# KiCad board FrontEnd_5G.kicad_pcb (continued)
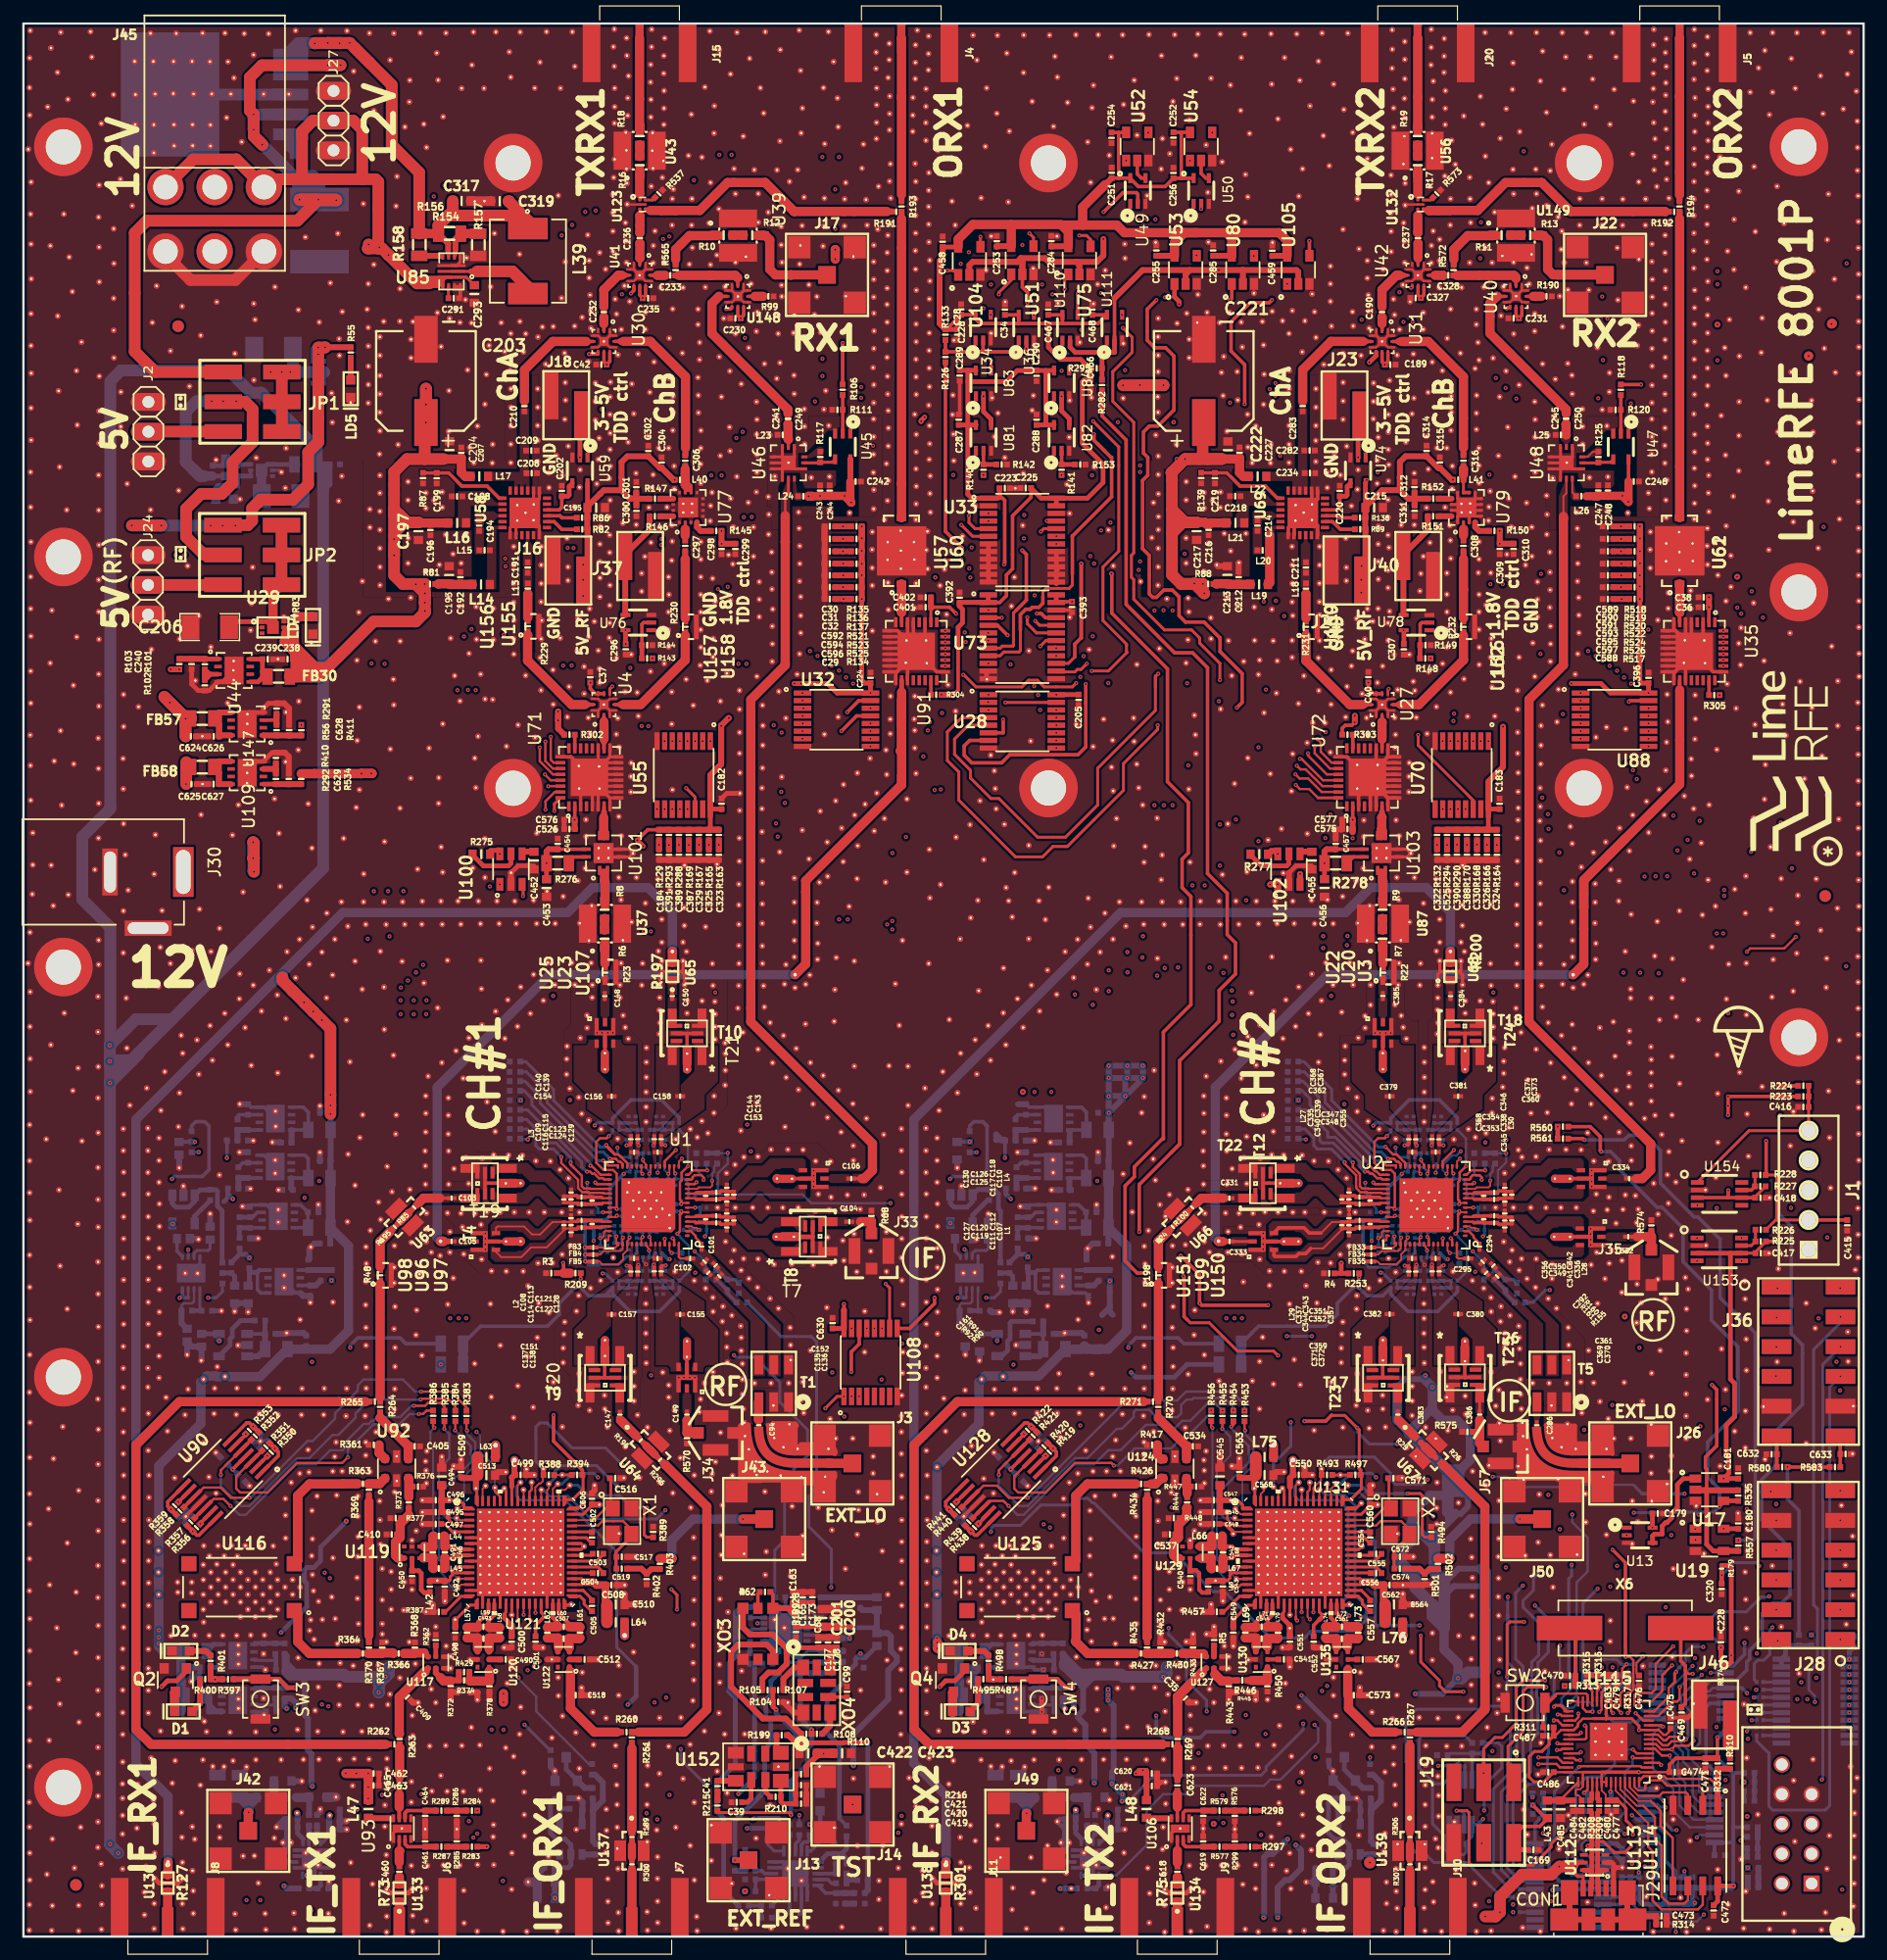
[diagram p0: board, top side]
## Placement (name value [footprint] x y rotation side) (continued)
GND_VIA#229  VAL**  [GND_VIA#3]  41.62 125.78 90 top
GND_VIA#230  VAL**  [GND_VIA#3]  41.62 127.36 90 top
GND_VIA#231  VAL**  [GND_VIA#3]  41.62 128.93 90 top
GND_VIA#232  VAL**  [GND_VIA#3]  41.63 130.51 90 top
GND_VIA#233  VAL**  [GND_VIA#3]  41.63 132.09 90 top
GND_VIA#234  VAL**  [GND_VIA#3]  39.53 133.31 90 top
GND_VIA#235  VAL**  [GND_VIA#3]  36.34 131.93 90 top
GND_VIA#236  VAL**  [GND_VIA#3]  42.17 122.16 90 top
GND_VIA#237  VAL**  [GND_VIA#3]  42.17 120.84 90 top
GND_VIA#238  VAL**  [GND_VIA#3]  42.87 121.51 90 top
GND_VIA#239  VAL**  [GND_VIA#3]  43.56 120.88 90 top
GND_VIA#240  VAL**  [GND_VIA#3]  43.91 125.88 90 top
GND_VIA#241  VAL**  [GND_VIA#3]  44.87 124.92 90 top
GND_VIA#242  VAL**  [GND_VIA#3]  44.88 123.65 90 top
GND_VIA#243  VAL**  [GND_VIA#3]  46 124.71 90 top
GND_VIA#244  VAL**  [GND_VIA#3]  47.54 125.18 90 top
GND_VIA#245  VAL**  [GND_VIA#3]  43.91 127.67 90 top
GND_VIA#246  VAL**  [GND_VIA#3]  43.91 128.95 90 top
GND_VIA#247  VAL**  [GND_VIA#3]  43.91 130.51 90 top
GND_VIA#248  VAL**  [GND_VIA#3]  43.91 132.09 90 top
GND_VIA#249  VAL**  [GND_VIA#3]  41.87 118.62 90 top
GND_VIA#250  VAL**  [GND_VIA#3]  41.88 117.04 90 top
GND_VIA#251  VAL**  [GND_VIA#3]  41.88 115.48 90 top
GND_VIA#252  VAL**  [GND_VIA#3]  44.21 115.47 90 top
GND_VIA#253  VAL**  [GND_VIA#3]  44.21 117.05 90 top
GND_VIA#254  VAL**  [GND_VIA#3]  44.22 118.62 90 top
GND_VIA#255  VAL**  [GND_VIA#3]  47.01 122.02 90 top
GND_VIA#256  VAL**  [GND_VIA#3]  122.8 122.28 90 top
GND_VIA#257  VAL**  [GND_VIA#3]  122.82 121.53 90 top
GND_VIA#258  VAL**  [GND_VIA#3]  118.77 124.89 90 top
GND_VIA#259  VAL**  [GND_VIA#3]  120.11 123.65 90 top
GND_VIA#260  VAL**  [GND_VIA#3]  119.96 125.23 90 top
GND_VIA#261  VAL**  [GND_VIA#3]  119.81 121.95 90 top
GND_VIA#262  VAL**  [GND_VIA#3]  121.39 121.98 90 top
GND_VIA#263  VAL**  [GND_VIA#3]  118.77 120.48 90 top
GND_VIA#264  VAL**  [GND_VIA#3]  104.08 135.65 90 top
GND_VIA#265  VAL**  [GND_VIA#3]  99.55 134.74 90 top
GND_VIA#266  VAL**  [GND_VIA#3]  99.55 136.31 90 top
GND_VIA#267  VAL**  [GND_VIA#3]  113.4 122.09 90 top
GND_VIA#268  VAL**  [GND_VIA#3]  118.68 107.11 90 top
GND_VIA#269  VAL**  [GND_VIA#3]  116.52 110.62 90 top
GND_VIA#270  VAL**  [GND_VIA#3]  116.52 112.11 90 top
GND_VIA#271  VAL**  [GND_VIA#3]  116.66 113.1 90 top
GND_VIA#272  VAL**  [GND_VIA#3]  116.52 115.11 90 top
GND_VIA#273  VAL**  [GND_VIA#3]  116.54 116.61 90 top
GND_VIA#274  VAL**  [GND_VIA#3]  116.6 118.54 90 top
GND_VIA#275  VAL**  [GND_VIA#3]  116.52 119.61 90 top
GND_VIA#276  VAL**  [GND_VIA#3]  116.54 121.12 90 top
GND_VIA#277  VAL**  [GND_VIA#3]  116.52 122.62 90 top
GND_VIA#278  VAL**  [GND_VIA#3]  116.56 124.22 90 top
GND_VIA#279  VAL**  [GND_VIA#3]  117.65 120.46 90 top
GND_VIA#280  VAL**  [GND_VIA#3]  115.7 120.34 90 top
GND_VIA#281  VAL**  [GND_VIA#3]  115.68 118.84 90 top
GND_VIA#282  VAL**  [GND_VIA#3]  115.68 117.34 90 top
GND_VIA#283  VAL**  [GND_VIA#3]  115.7 115.84 90 top
GND_VIA#284  VAL**  [GND_VIA#3]  115.68 113.33 90 top
GND_VIA#285  VAL**  [GND_VIA#3]  115.22 112.24 90 top
GND_VIA#286  VAL**  [GND_VIA#3]  113.4 108.43 90 top
GND_VIA#287  VAL**  [GND_VIA#3]  116.06 108.42 90 top
GND_VIA#288  VAL**  [GND_VIA#3]  116.66 132.8 90 top
GND_VIA#289  VAL**  [GND_VIA#3]  116.55 131.4 90 top
GND_VIA#290  VAL**  [GND_VIA#3]  116.55 129.9 90 top
GND_VIA#291  VAL**  [GND_VIA#3]  116.55 128.4 90 top
GND_VIA#292  VAL**  [GND_VIA#3]  116.55 126.91 90 top
GND_VIA#293  VAL**  [GND_VIA#3]  116.59 125.61 90 top
GND_VIA#294  VAL**  [GND_VIA#3]  115.6 124 270 top
GND_VIA#295  VAL**  [GND_VIA#3]  115.61 125.98 270 top
GND_VIA#296  VAL**  [GND_VIA#3]  115.69 127.95 270 top
GND_VIA#297  VAL**  [GND_VIA#3]  140.17 125.75 90 top
GND_VIA#298  VAL**  [GND_VIA#3]  140.15 127.25 90 top
GND_VIA#299  VAL**  [GND_VIA#3]  140.18 128.75 90 top
GND_VIA#300  VAL**  [GND_VIA#3]  140.17 130.25 90 top
GND_VIA#301  VAL**  [GND_VIA#3]  130.11 121.37 90 top
GND_VIA#302  VAL**  [GND_VIA#3]  121.92 131.45 90 top
GND_VIA#303  VAL**  [GND_VIA#3]  121.17 133.63 90 top
GND_VIA#304  VAL**  [GND_VIA#3]  139.05 129.5 90 top
GND_VIA#305  VAL**  [GND_VIA#3]  139.06 128 90 top
GND_VIA#306  VAL**  [GND_VIA#3]  139.04 126.5 90 top
GND_VIA#307  VAL**  [GND_VIA#3]  139.05 125 90 top
GND_VIA#308  VAL**  [GND_VIA#3]  139.06 132.4 90 top
GND_VIA#309  VAL**  [GND_VIA#3]  139.06 130.9 90 top
GND_VIA#310  VAL**  [GND_VIA#3]  124.2 136.05 90 top
GND_VIA#311  VAL**  [GND_VIA#3]  125.49 134.71 90 top
GND_VIA#312  VAL**  [GND_VIA#3]  126.61 133.61 90 top
GND_VIA#313  VAL**  [GND_VIA#3]  127.71 132.42 90 top
GND_VIA#314  VAL**  [GND_VIA#3]  133.73 124.5 90 top
GND_VIA#315  VAL**  [GND_VIA#3]  135.3 124.58 90 top
GND_VIA#316  VAL**  [GND_VIA#3]  128.37 135.59 90 top
GND_VIA#317  VAL**  [GND_VIA#3]  127.26 136.78 90 top
GND_VIA#318  VAL**  [GND_VIA#3]  129.72 134.21 90 top
GND_VIA#319  VAL**  [GND_VIA#3]  122.7 135.12 90 top
GND_VIA#320  VAL**  [GND_VIA#3]  121.58 136.4 90 top
GND_VIA#321  VAL**  [GND_VIA#3]  120.3 134.37 90 top
GND_VIA#322  VAL**  [GND_VIA#3]  118.69 135.06 90 top
GND_VIA#323  VAL**  [GND_VIA#3]  130.19 128.12 90 top
GND_VIA#324  VAL**  [GND_VIA#3]  135.21 128.92 90 top
GND_VIA#325  VAL**  [GND_VIA#3]  119.94 131.78 90 top
GND_VIA#326  VAL**  [GND_VIA#3]  110.37 136.47 90 top
GND_VIA#327  VAL**  [GND_VIA#3]  111.7 137.44 90 top
GND_VIA#328  VAL**  [GND_VIA#3]  113.55 137.44 90 top
GND_VIA#329  VAL**  [GND_VIA#3]  111.04 134.16 90 top
GND_VIA#330  VAL**  [GND_VIA#3]  112.7 135.11 90 top
GND_VIA#331  VAL**  [GND_VIA#3]  106.49 125.75 90 top
GND_VIA#332  VAL**  [GND_VIA#3]  104.92 125.77 90 top
GND_VIA#333  VAL**  [GND_VIA#3]  104.56 127.11 90 top
GND_VIA#334  VAL**  [GND_VIA#3]  105.23 128.91 90 top
GND_VIA#335  VAL**  [GND_VIA#3]  134.81 130.31 90 top
GND_VIA#336  VAL**  [GND_VIA#3]  129.06 138.5 90 top
GND_VIA#337  VAL**  [GND_VIA#3]  129.05 137 90 top
GND_VIA#338  VAL**  [GND_VIA#3]  129.05 130.99 90 top
GND_VIA#339  VAL**  [GND_VIA#3]  129.08 129.47 90 top
GND_VIA#340  VAL**  [GND_VIA#3]  129.06 127.97 90 top
GND_VIA#341  VAL**  [GND_VIA#3]  129.07 126.47 90 top
GND_VIA#342  VAL**  [GND_VIA#3]  129.08 124.97 90 top
GND_VIA#343  VAL**  [GND_VIA#3]  140.18 131.65 90 top
GND_VIA#344  VAL**  [GND_VIA#3]  140.19 133.15 90 top
GND_VIA#345  VAL**  [GND_VIA#3]  133.14 127.36 90 top
GND_VIA#346  VAL**  [GND_VIA#3]  133.13 128.87 90 top
GND_VIA#347  VAL**  [GND_VIA#3]  133.12 130.36 90 top
GND_VIA#348  VAL**  [GND_VIA#3]  130.81 132.91 90 top
GND_VIA#349  VAL**  [GND_VIA#3]  132.25 131.65 90 top
GND_VIA#350  VAL**  [GND_VIA#3]  115.62 107.01 90 top
GND_VIA#351  VAL**  [GND_VIA#3]  125.4 106.64 90 top
GND_VIA#352  VAL**  [GND_VIA#3]  119.52 137.16 90 top
GND_VIA#353  VAL**  [GND_VIA#3]  117.52 137.15 90 top
GND_VIA#354  VAL**  [GND_VIA#3]  117.3 134.97 90 top
GND_VIA#355  VAL**  [GND_VIA#3]  121.98 123.56 90 top
GND_VIA#356  VAL**  [GND_VIA#3]  125.11 120.84 90 top
GND_VIA#357  VAL**  [GND_VIA#3]  125.14 122.01 90 top
GND_VIA#358  VAL**  [GND_VIA#3]  125.24 123.36 90 top
GND_VIA#359  VAL**  [GND_VIA#3]  120.1 118.96 90 top
GND_VIA#360  VAL**  [GND_VIA#3]  117.86 121.92 90 top
GND_VIA#361  VAL**  [GND_VIA#3]  117.79 140.96 90 top
GND_VIA#362  VAL**  [GND_VIA#3]  116.99 139.74 90 top
GND_VIA#363  VAL**  [GND_VIA#3]  114.9 137.25 90 top
GND_VIA#364  VAL**  [GND_VIA#3]  114.89 138.73 90 top
GND_VIA#365  VAL**  [GND_VIA#3]  114.83 140.1 90 top
GND_VIA#366  VAL**  [GND_VIA#3]  103.8 117.25 90 top
GND_VIA#367  VAL**  [GND_VIA#3]  101.2 118.92 90 top
GND_VIA#368  VAL**  [GND_VIA#3]  101.9 117.06 90 top
GND_VIA#369  VAL**  [GND_VIA#3]  104.39 119.74 90 top
GND_VIA#370  VAL**  [GND_VIA#3]  102.54 119.74 90 top
GND_VIA#371  VAL**  [GND_VIA#3]  100.83 116.5 90 top
GND_VIA#372  VAL**  [GND_VIA#3]  103.73 113.53 90 top
GND_VIA#373  VAL**  [GND_VIA#3]  105.1 113.46 90 top
GND_VIA#374  VAL**  [GND_VIA#3]  105.13 110.61 90 top
GND_VIA#375  VAL**  [GND_VIA#3]  102.9 110.59 90 top
GND_VIA#376  VAL**  [GND_VIA#3]  99.45 114.23 90 top
GND_VIA#377  VAL**  [GND_VIA#3]  97.64 114.17 90 top
GND_VIA#378  VAL**  [GND_VIA#3]  98.45 127.34 90 top
GND_VIA#379  VAL**  [GND_VIA#3]  112.99 127.19 90 top
GND_VIA#380  VAL**  [GND_VIA#3]  113.96 125.18 90 top
GND_VIA#381  VAL**  [GND_VIA#3]  122.02 125.5 90 top
GND_VIA#382  VAL**  [GND_VIA#3]  135.25 121.7 90 top
GND_VIA#383  VAL**  [GND_VIA#3]  132.64 121.56 90 top
GND_VIA#384  VAL**  [GND_VIA#3]  126.74 128.81 90 top
GND_VIA#385  VAL**  [GND_VIA#3]  127.36 124.59 90 top
GND_VIA#386  VAL**  [GND_VIA#3]  125.95 126.38 90 top
GND_VIA#387  VAL**  [GND_VIA#3]  126.05 131.41 90 top
GND_VIA#388  VAL**  [GND_VIA#3]  126.85 122.73 90 top
GND_VIA#389  VAL**  [GND_VIA#3]  128.36 122.36 90 top
GND_VIA#390  VAL**  [GND_VIA#3]  126.37 140.81 90 top
GND_VIA#391  VAL**  [GND_VIA#3]  127.45 140 90 top
GND_VIA#392  VAL**  [GND_VIA#3]  124.7 140.77 90 top
GND_VIA#393  VAL**  [GND_VIA#3]  125.4 142.86 90 top
GND_VIA#394  VAL**  [GND_VIA#3]  123.49 142.86 90 top
GND_VIA#395  VAL**  [GND_VIA#3]  120.91 143.01 90 top
GND_VIA#396  VAL**  [GND_VIA#3]  128.58 141.04 90 top
GND_VIA#397  VAL**  [GND_VIA#3]  120.21 142.84 90 top
GND_VIA#398  VAL**  [GND_VIA#3]  119.08 141.78 90 top
GND_VIA#399  VAL**  [GND_VIA#3]  116.11 142.3 90 top
GND_VIA#400  VAL**  [GND_VIA#3]  117.95 142.86 90 top
GND_VIA#401  VAL**  [GND_VIA#3]  117.86 146.25 90 top
GND_VIA#402  VAL**  [GND_VIA#3]  120.23 144.31 90 top
GND_VIA#403  VAL**  [GND_VIA#3]  117.98 147.75 90 top
GND_VIA#404  VAL**  [GND_VIA#3]  117.98 149.62 90 top
GND_VIA#405  VAL**  [GND_VIA#3]  120.07 149.37 90 top
GND_VIA#406  VAL**  [GND_VIA#3]  117.84 151.27 90 top
GND_VIA#407  VAL**  [GND_VIA#3]  140.31 149.96 90 top
GND_VIA#408  VAL**  [GND_VIA#3]  121.84 146.06 90 top
GND_VIA#409  VAL**  [GND_VIA#3]  123.58 146.27 90 top
GND_VIA#410  VAL**  [GND_VIA#3]  131.37 145.54 90 top
GND_VIA#411  VAL**  [GND_VIA#3]  140.49 146.12 90 top
GND_VIA#412  VAL**  [GND_VIA#3]  138.5 146.05 90 top
GND_VIA#413  VAL**  [GND_VIA#3]  136.55 146.04 90 top
GND_VIA#414  VAL**  [GND_VIA#3]  134.78 146.04 90 top
GND_VIA#415  VAL**  [GND_VIA#3]  132.89 146.05 90 top
GND_VIA#416  VAL**  [GND_VIA#3]  130.08 147.73 90 top
GND_VIA#417  VAL**  [GND_VIA#3]  138.52 148.29 90 top
GND_VIA#418  VAL**  [GND_VIA#3]  140.51 148.36 90 top
GND_VIA#419  VAL**  [GND_VIA#3]  123.53 148.3 90 top
GND_VIA#420  VAL**  [GND_VIA#3]  121.86 148.3 90 top
GND_VIA#421  VAL**  [GND_VIA#3]  121.37 150.25 90 top
GND_VIA#422  VAL**  [GND_VIA#3]  122.27 151.24 90 top
GND_VIA#423  VAL**  [GND_VIA#3]  120.29 151.78 90 top
GND_VIA#424  VAL**  [GND_VIA#3]  122.8 140.73 90 top
GND_VIA#425  VAL**  [GND_VIA#3]  127.24 142.9 90 top
GND_VIA#426  VAL**  [GND_VIA#3]  130.7 129.65 90 top
GND_VIA#427  VAL**  [GND_VIA#3]  130.58 124.47 90 top
GND_VIA#428  VAL**  [GND_VIA#3]  131.79 125.78 90 top
GND_VIA#429  VAL**  [GND_VIA#3]  116.02 136.13 90 top
GND_VIA#430  VAL**  [GND_VIA#3]  112.3 110.79 90 top
GND_VIA#431  VAL**  [GND_VIA#3]  114.54 110.72 90 top
GND_VIA#432  VAL**  [GND_VIA#3]  127.48 113.83 90 top
GND_VIA#433  VAL**  [GND_VIA#3]  117.03 109.4 90 top
GND_VIA#434  VAL**  [GND_VIA#3]  116.02 105.14 90 top
GND_VIA#435  VAL**  [GND_VIA#3]  102.77 128.46 90 top
GND_VIA#436  VAL**  [GND_VIA#3]  118.81 106.33 90 top
GND_VIA#437  VAL**  [GND_VIA#3]  117.35 106.41 90 top
GND_VIA#438  VAL**  [GND_VIA#3]  117.1 104.03 90 top
GND_VIA#439  VAL**  [GND_VIA#3]  118.94 104.04 90 top
GND_VIA#440  VAL**  [GND_VIA#3]  120.65 104.96 90 top
GND_VIA#441  VAL**  [GND_VIA#3]  121.86 106.19 90 top
GND_VIA#442  VAL**  [GND_VIA#3]  123.01 107.33 90 top
GND_VIA#443  VAL**  [GND_VIA#3]  114.7 104 90 top
GND_VIA#444  VAL**  [GND_VIA#3]  114.31 106.06 90 top
GND_VIA#445  VAL**  [GND_VIA#3]  110.1 103.59 90 top
GND_VIA#446  VAL**  [GND_VIA#3]  111.15 103.58 90 top
GND_VIA#447  VAL**  [GND_VIA#3]  103.54 88.37 90 top
GND_VIA#448  VAL**  [GND_VIA#3]  115.55 92.89 90 top
GND_VIA#449  VAL**  [GND_VIA#3]  116.39 92.9 90 top
GND_VIA#450  VAL**  [GND_VIA#3]  116.39 92.05 90 top
GND_VIA#451  VAL**  [GND_VIA#3]  115.54 92.04 90 top
GND_VIA#452  VAL**  [GND_VIA#3]  117.12 101.47 90 top
GND_VIA#453  VAL**  [GND_VIA#3]  118.31 99 90 top
GND_VIA#454  VAL**  [GND_VIA#3]  123.31 104.12 90 top
GND_VIA#455  VAL**  [GND_VIA#3]  118.3 97.68 90 top
GND_VIA#456  VAL**  [GND_VIA#3]  119.54 138.59 90 top
GND_VIA#457  VAL**  [GND_VIA#3]  107.58 90.76 90 top
GND_VIA#458  VAL**  [GND_VIA#3]  125.3 116.38 90 top
GND_VIA#459  VAL**  [GND_VIA#3]  118.34 100.17 90 top
GND_VIA#460  VAL**  [GND_VIA#3]  142.69 126.7 90 top
GND_VIA#461  VAL**  [GND_VIA#3]  142.7 128.2 90 top
GND_VIA#462  VAL**  [GND_VIA#3]  142.69 125.31 90 top
GND_VIA#463  VAL**  [GND_VIA#3]  143.81 126.06 90 top
GND_VIA#464  VAL**  [GND_VIA#3]  143.8 128.88 90 top
GND_VIA#465  VAL**  [GND_VIA#3]  143.81 127.45 90 top
GND_VIA#466  VAL**  [GND_VIA#3]  129.52 96.44 90 top
GND_VIA#467  VAL**  [GND_VIA#3]  126.17 138.33 90 top
GND_VIA#468  VAL**  [GND_VIA#3]  131.19 140 90 top
GND_VIA#469  VAL**  [GND_VIA#3]  116.79 143.79 90 top
GND_VIA#470  VAL**  [GND_VIA#3]  142.62 96.25 90 top
GND_VIA#471  VAL**  [GND_VIA#3]  135.11 93.41 90 top
GND_VIA#472  VAL**  [GND_VIA#3]  141.83 97.34 90 top
GND_VIA#473  VAL**  [GND_VIA#3]  136.22 88.37 90 top
GND_VIA#474  VAL**  [GND_VIA#3]  136.25 90.09 90 top
GND_VIA#475  VAL**  [GND_VIA#3]  132.25 93.28 90 top
GND_VIA#476  VAL**  [GND_VIA#3]  130.08 119.66 90 top
GND_VIA#477  VAL**  [GND_VIA#3]  132.09 94.73 90 top
GND_VIA#478  VAL**  [GND_VIA#3]  136.3 94.6 90 top
GND_VIA#479  VAL**  [GND_VIA#3]  143.37 87.19 90 top
GND_VIA#480  VAL**  [GND_VIA#3]  144.49 87.94 90 top
GND_VIA#481  VAL**  [GND_VIA#3]  143.95 96.58 90 top
GND_VIA#482  VAL**  [GND_VIA#3]  137.29 87.24 90 top
GND_VIA#483  VAL**  [GND_VIA#3]  127.56 93.74 90 top
GND_VIA#484  VAL**  [GND_VIA#3]  127.62 95.28 90 top
GND_VIA#485  VAL**  [GND_VIA#3]  127.56 91.77 90 top
GND_VIA#486  VAL**  [GND_VIA#3]  129.54 91.82 90 top
GND_VIA#487  VAL**  [GND_VIA#3]  129.54 93.54 90 top
GND_VIA#488  VAL**  [GND_VIA#3]  139.51 86.63 90 top
GND_VIA#489  VAL**  [GND_VIA#3]  129.56 100.07 90 top
GND_VIA#490  VAL**  [GND_VIA#3]  134.28 102.35 90 top
GND_VIA#491  VAL**  [GND_VIA#3]  129.58 101.66 90 top
GND_VIA#492  VAL**  [GND_VIA#3]  129.51 98.02 90 top
GND_VIA#493  VAL**  [GND_VIA#3]  134.21 89.85 90 top
GND_VIA#494  VAL**  [GND_VIA#3]  131.07 106.43 90 top
GND_VIA#495  VAL**  [GND_VIA#3]  140.41 103.67 90 top
GND_VIA#496  VAL**  [GND_VIA#3]  132.51 107.73 90 top
GND_VIA#497  VAL**  [GND_VIA#3]  132.73 109.47 90 top
GND_VIA#498  VAL**  [GND_VIA#3]  132.8 114.27 90 top
GND_VIA#499  VAL**  [GND_VIA#3]  132.82 112.77 90 top
GND_VIA#500  VAL**  [GND_VIA#3]  132.82 111.25 90 top
GND_VIA#501  VAL**  [GND_VIA#3]  130.38 108.81 90 top
GND_VIA#502  VAL**  [GND_VIA#3]  130.4 110.31 90 top
GND_VIA#503  VAL**  [GND_VIA#3]  130.39 111.83 90 top
GND_VIA#504  VAL**  [GND_VIA#3]  127.63 97.7 90 top
GND_VIA#505  VAL**  [GND_VIA#3]  129.71 105.09 90 top
GND_VIA#506  VAL**  [GND_VIA#3]  129.59 103.34 90 top
GND_VIA#507  VAL**  [GND_VIA#3]  127.63 99.32 90 top
GND_VIA#508  VAL**  [GND_VIA#3]  132.7 115.66 90 top
GND_VIA#509  VAL**  [GND_VIA#3]  132.73 117.18 90 top
GND_VIA#510  VAL**  [GND_VIA#3]  132.74 118.68 90 top
GND_VIA#511  VAL**  [GND_VIA#3]  130.36 116.44 90 top
GND_VIA#512  VAL**  [GND_VIA#3]  130.37 114.93 90 top
GND_VIA#513  VAL**  [GND_VIA#3]  130.35 113.43 90 top
GND_VIA#514  VAL**  [GND_VIA#3]  130.34 118.15 90 top
GND_VIA#515  VAL**  [GND_VIA#3]  132.69 120.18 90 top
GND_VIA#516  VAL**  [GND_VIA#3]  139.08 139.93 90 top
GND_VIA#517  VAL**  [GND_VIA#3]  139.1 141.43 90 top
GND_VIA#518  VAL**  [GND_VIA#3]  139.07 134.03 90 top
GND_VIA#519  VAL**  [GND_VIA#3]  139.06 135.53 90 top
GND_VIA#520  VAL**  [GND_VIA#3]  139.08 137.03 90 top
GND_VIA#521  VAL**  [GND_VIA#3]  139.07 138.54 90 top
GND_VIA#522  VAL**  [GND_VIA#3]  140.19 139.29 90 top
GND_VIA#523  VAL**  [GND_VIA#3]  140.2 137.78 90 top
GND_VIA#524  VAL**  [GND_VIA#3]  140.19 136.28 90 top
GND_VIA#525  VAL**  [GND_VIA#3]  140.19 134.78 90 top
GND_VIA#526  VAL**  [GND_VIA#3]  140.21 142.18 90 top
GND_VIA#527  VAL**  [GND_VIA#3]  140.2 140.68 90 top
GND_VIA#528  VAL**  [GND_VIA#3]  143.81 139.75 90 top
GND_VIA#529  VAL**  [GND_VIA#3]  143.82 141.25 90 top
GND_VIA#530  VAL**  [GND_VIA#3]  143.81 132.36 90 top
GND_VIA#531  VAL**  [GND_VIA#3]  143.81 133.86 90 top
GND_VIA#532  VAL**  [GND_VIA#3]  143.8 135.36 90 top
GND_VIA#533  VAL**  [GND_VIA#3]  143.81 136.86 90 top
GND_VIA#534  VAL**  [GND_VIA#3]  143.81 138.37 90 top
GND_VIA#535  VAL**  [GND_VIA#3]  143.76 130.69 90 top
GND_VIA#536  VAL**  [GND_VIA#3]  142.64 129.94 90 top
GND_VIA#537  VAL**  [GND_VIA#3]  142.69 137.62 90 top
GND_VIA#538  VAL**  [GND_VIA#3]  142.69 136.11 90 top
GND_VIA#539  VAL**  [GND_VIA#3]  142.68 134.61 90 top
GND_VIA#540  VAL**  [GND_VIA#3]  142.69 133.11 90 top
GND_VIA#541  VAL**  [GND_VIA#3]  142.69 131.61 90 top
GND_VIA#542  VAL**  [GND_VIA#3]  142.7 140.5 90 top
GND_VIA#543  VAL**  [GND_VIA#3]  142.69 139 90 top
GND_VIA#544  VAL**  [GND_VIA#3]  142.64 148.28 90 top
GND_VIA#545  VAL**  [GND_VIA#3]  142.65 149.78 90 top
GND_VIA#546  VAL**  [GND_VIA#3]  142.63 142.38 90 top
GND_VIA#547  VAL**  [GND_VIA#3]  142.62 143.88 90 top
GND_VIA#548  VAL**  [GND_VIA#3]  142.64 145.38 90 top
GND_VIA#549  VAL**  [GND_VIA#3]  142.63 146.88 90 top
GND_VIA#550  VAL**  [GND_VIA#3]  143.75 147.63 90 top
GND_VIA#551  VAL**  [GND_VIA#3]  143.76 146.12 90 top
GND_VIA#552  VAL**  [GND_VIA#3]  143.75 144.62 90 top
GND_VIA#553  VAL**  [GND_VIA#3]  143.75 143.12 90 top
GND_VIA#554  VAL**  [GND_VIA#3]  143.77 150.53 90 top
GND_VIA#555  VAL**  [GND_VIA#3]  143.76 149.03 90 top
GND_VIA#556  VAL**  [GND_VIA#3]  140.18 143.69 90 top
GND_VIA#557  VAL**  [GND_VIA#3]  140.19 145.19 90 top
GND_VIA#558  VAL**  [GND_VIA#3]  139.06 144.44 90 top
GND_VIA#559  VAL**  [GND_VIA#3]  139.06 142.94 90 top
GND_VIA#560  VAL**  [GND_VIA#3]  111.66 105.15 90 top
GND_VIA#561  VAL**  [GND_VIA#3]  112.91 104.07 90 top
GND_VIA#562  VAL**  [GND_VIA#3]  113.02 106.68 90 top
GND_VIA#563  VAL**  [GND_VIA#3]  111.67 108.11 90 top
GND_VIA#564  VAL**  [GND_VIA#3]  105.46 107.7 90 top
GND_VIA#565  VAL**  [GND_VIA#3]  105.55 108.94 90 top
GND_VIA#566  VAL**  [GND_VIA#3]  96.89 134.94 90 top
GND_VIA#567  VAL**  [GND_VIA#3]  96.89 136.53 90 top
GND_VIA#568  VAL**  [GND_VIA#3]  96.89 138.1 90 top
GND_VIA#569  VAL**  [GND_VIA#3]  96.86 131.41 90 top
GND_VIA#570  VAL**  [GND_VIA#3]  96.89 130.09 90 top
GND_VIA#571  VAL**  [GND_VIA#3]  96.69 128.14 90 top
GND_VIA#572  VAL**  [GND_VIA#3]  96.9 133.54 90 top
GND_VIA#573  VAL**  [GND_VIA#3]  103.98 137.78 90 top
GND_VIA#574  VAL**  [GND_VIA#3]  98.52 137.68 90 top
GND_VIA#575  VAL**  [GND_VIA#3]  100.23 137.74 90 top
GND_VIA#576  VAL**  [GND_VIA#3]  102.14 137.74 90 top
GND_VIA#577  VAL**  [GND_VIA#3]  109.42 137.88 90 top
GND_VIA#578  VAL**  [GND_VIA#3]  107.52 137.88 90 top
GND_VIA#579  VAL**  [GND_VIA#3]  105.8 137.82 90 top
GND_VIA#580  VAL**  [GND_VIA#3]  110.25 138.66 90 top
GND_VIA#581  VAL**  [GND_VIA#3]  116.79 150.32 90 top
GND_VIA#582  VAL**  [GND_VIA#3]  116.79 148.68 90 top
GND_VIA#583  VAL**  [GND_VIA#3]  116.77 147.11 90 top
GND_VIA#584  VAL**  [GND_VIA#3]  116.79 145.53 90 top
GND_VIA#585  VAL**  [GND_VIA#3]  129.29 112.62 90 top
GND_VIA#586  VAL**  [GND_VIA#3]  129.29 114.12 90 top
GND_VIA#587  VAL**  [GND_VIA#3]  129.29 115.62 90 top
GND_VIA#588  VAL**  [GND_VIA#3]  78.95 106.83 90 top
GND_VIA#589  VAL**  [GND_VIA#3]  35.47 98.9 90 top
GND_VIA#590  VAL**  [GND_VIA#3]  34.64 101.42 90 top
GND_VIA#591  VAL**  [GND_VIA#3]  35.45 96.71 90 top
GND_VIA#592  VAL**  [GND_VIA#3]  99.28 108.69 90 top
GND_VIA#593  VAL**  [GND_VIA#3]  99.52 113.05 90 top
GND_VIA#594  VAL**  [GND_VIA#3]  99.99 104.23 90 top
GND_VIA#595  VAL**  [GND_VIA#3]  28.64 113.01 90 top
GND_VIA#596  VAL**  [GND_VIA#3]  32.16 96.3 90 top
GND_VIA#597  VAL**  [GND_VIA#3]  28.42 96.36 90 top
GND_VIA#598  VAL**  [GND_VIA#3]  76.05 119.01 90 top
GND_VIA#599  VAL**  [GND_VIA#3]  74.92 116.74 90 top
GND_VIA#600  VAL**  [GND_VIA#3]  76.07 117.52 90 top
GND_VIA#601  VAL**  [GND_VIA#3]  74.92 118.28 90 top
GND_VIA#602  VAL**  [GND_VIA#3]  74.9 119.98 90 top
GND_VIA#603  VAL**  [GND_VIA#3]  73.8 119.01 90 top
GND_VIA#604  VAL**  [GND_VIA#3]  73.79 117.5 90 top
GND_VIA#605  VAL**  [GND_VIA#3]  77.3 149.03 90 top
GND_VIA#606  VAL**  [GND_VIA#3]  77.32 150.53 90 top
GND_VIA#607  VAL**  [GND_VIA#3]  77.39 143.06 90 top
GND_VIA#608  VAL**  [GND_VIA#3]  77.32 144.61 90 top
GND_VIA#609  VAL**  [GND_VIA#3]  77.3 146.12 90 top
GND_VIA#610  VAL**  [GND_VIA#3]  77.3 147.63 90 top
GND_VIA#611  VAL**  [GND_VIA#3]  76.17 146.88 90 top
GND_VIA#612  VAL**  [GND_VIA#3]  76.18 145.38 90 top
GND_VIA#613  VAL**  [GND_VIA#3]  76.17 143.88 90 top
GND_VIA#614  VAL**  [GND_VIA#3]  76.18 142.29 90 top
GND_VIA#615  VAL**  [GND_VIA#3]  76.2 149.78 90 top
GND_VIA#616  VAL**  [GND_VIA#3]  76.18 148.28 90 top
GND_VIA#617  VAL**  [GND_VIA#3]  76.23 139 90 top
GND_VIA#618  VAL**  [GND_VIA#3]  76.24 140.5 90 top
GND_VIA#619  VAL**  [GND_VIA#3]  76.23 131.61 90 top
GND_VIA#620  VAL**  [GND_VIA#3]  76.23 133.11 90 top
GND_VIA#621  VAL**  [GND_VIA#3]  76.21 134.61 90 top
GND_VIA#622  VAL**  [GND_VIA#3]  76.23 136.11 90 top
GND_VIA#623  VAL**  [GND_VIA#3]  76.23 137.62 90 top
GND_VIA#624  VAL**  [GND_VIA#3]  76.11 129.91 90 top
GND_VIA#625  VAL**  [GND_VIA#3]  77.3 130.69 90 top
GND_VIA#626  VAL**  [GND_VIA#3]  77.35 138.37 90 top
GND_VIA#627  VAL**  [GND_VIA#3]  77.36 136.86 90 top
GND_VIA#628  VAL**  [GND_VIA#3]  77.33 135.36 90 top
GND_VIA#629  VAL**  [GND_VIA#3]  77.35 133.86 90 top
GND_VIA#630  VAL**  [GND_VIA#3]  77.37 132.26 90 top
GND_VIA#631  VAL**  [GND_VIA#3]  77.4 141.29 90 top
GND_VIA#632  VAL**  [GND_VIA#3]  77.36 139.75 90 top
GND_VIA#633  VAL**  [GND_VIA#3]  77.39 127.4 90 top
GND_VIA#634  VAL**  [GND_VIA#3]  77.36 128.95 90 top
GND_VIA#635  VAL**  [GND_VIA#3]  77.09 118.33 90 top
GND_VIA#636  VAL**  [GND_VIA#3]  143.92 121.6 90 top
GND_VIA#637  VAL**  [GND_VIA#3]  143.88 123.2 90 top
GND_VIA#638  VAL**  [GND_VIA#3]  143.9 124.7 90 top
GND_VIA#639  VAL**  [GND_VIA#3]  77.35 126.06 90 top
GND_VIA#640  VAL**  [GND_VIA#3]  144.69 116.18 90 top
GND_VIA#641  VAL**  [GND_VIA#3]  142.71 123.81 90 top
GND_VIA#642  VAL**  [GND_VIA#3]  142.69 122.31 90 top
GND_VIA#643  VAL**  [GND_VIA#3]  142.68 120.97 90 top
GND_VIA#644  VAL**  [GND_VIA#3]  76.24 128.2 90 top
GND_VIA#645  VAL**  [GND_VIA#3]  76.23 126.7 90 top
GND_VIA#646  VAL**  [GND_VIA#3]  72.6 142.93 90 top
GND_VIA#647  VAL**  [GND_VIA#4]  72.61 144.44 90 top
GND_VIA#648  VAL**  [GND_VIA#3]  73.82 145.19 90 top
GND_VIA#649  VAL**  [GND_VIA#3]  73.76 143.71 90 top
GND_VIA#650  VAL**  [GND_VIA#3]  73.76 140.68 90 top
GND_VIA#651  VAL**  [GND_VIA#3]  73.77 142.18 90 top
GND_VIA#652  VAL**  [GND_VIA#3]  73.74 134.78 90 top
GND_VIA#653  VAL**  [GND_VIA#3]  73.73 136.28 90 top
GND_VIA#654  VAL**  [GND_VIA#3]  73.76 137.78 90 top
GND_VIA#655  VAL**  [GND_VIA#3]  73.74 139.29 90 top
GND_VIA#656  VAL**  [GND_VIA#3]  72.62 138.54 90 top
GND_VIA#657  VAL**  [GND_VIA#3]  72.64 137.03 90 top
GND_VIA#658  VAL**  [GND_VIA#3]  72.61 135.53 90 top
GND_VIA#659  VAL**  [GND_VIA#3]  72.55 133.9 90 top
GND_VIA#660  VAL**  [GND_VIA#3]  72.61 141.42 90 top
GND_VIA#661  VAL**  [GND_VIA#3]  72.61 139.92 90 top
GND_VIA#662  VAL**  [GND_VIA#3]  140.28 121.1 90 top
GND_VIA#663  VAL**  [GND_VIA#3]  72.05 146.05 90 top
GND_VIA#664  VAL**  [GND_VIA#3]  72.61 130.9 90 top
GND_VIA#665  VAL**  [GND_VIA#3]  72.62 132.43 90 top
GND_VIA#666  VAL**  [GND_VIA#3]  138.76 123.2 90 top
GND_VIA#667  VAL**  [GND_VIA#3]  146 122.91 90 top
GND_VIA#668  VAL**  [GND_VIA#3]  72.58 126.5 90 top
GND_VIA#669  VAL**  [GND_VIA#3]  72.61 128 90 top
GND_VIA#670  VAL**  [GND_VIA#3]  72.6 129.5 90 top
GND_VIA#671  VAL**  [GND_VIA#3]  145.4 120.38 90 top
GND_VIA#672  VAL**  [GND_VIA#3]  140.25 122.59 90 top
GND_VIA#673  VAL**  [GND_VIA#3]  73.84 130.22 90 top
GND_VIA#674  VAL**  [GND_VIA#3]  73.86 128.74 90 top
GND_VIA#675  VAL**  [GND_VIA#3]  73.85 127.2 90 top
GND_VIA#676  VAL**  [GND_VIA#3]  72.6 121.84 90 top
GND_VIA#677  VAL**  [GND_VIA#3]  140.33 124.3 90 top
GND_VIA#678  VAL**  [GND_VIA#3]  73.78 133.15 90 top
GND_VIA#679  VAL**  [GND_VIA#3]  73.8 131.64 90 top
GND_VIA#680  VAL**  [GND_VIA#3]  74.02 146.12 90 top
GND_VIA#681  VAL**  [GND_VIA#3]  76.14 151.31 90 top
GND_VIA#682  VAL**  [GND_VIA#3]  142.67 151.24 90 top
GND_VIA#683  VAL**  [GND_VIA#3]  74.03 151.28 90 top
GND_VIA#684  VAL**  [GND_VIA#3]  55.41 148.3 90 top
GND_VIA#685  VAL**  [GND_VIA#3]  123.53 148.29 90 top
GND_VIA#686  VAL**  [GND_VIA#3]  125.12 149.68 90 top
GND_VIA#687  VAL**  [GND_VIA#3]  127.19 150.81 90 top
GND_VIA#688  VAL**  [GND_VIA#3]  129.14 150.82 90 top
GND_VIA#689  VAL**  [GND_VIA#3]  130.37 150.7 90 top
GND_VIA#690  VAL**  [GND_VIA#3]  74.06 148.36 90 top
GND_VIA#691  VAL**  [GND_VIA#3]  138.52 148.28 90 top
GND_VIA#692  VAL**  [GND_VIA#3]  136.57 148.27 90 top
GND_VIA#693  VAL**  [GND_VIA#3]  134.81 148.3 90 top
GND_VIA#694  VAL**  [GND_VIA#3]  137.41 152.13 90 top
GND_VIA#695  VAL**  [GND_VIA#3]  132.9 148.31 90 top